# Altium PCB PIFWRobot.PcbDoc (part 2 of 2)
Units mil, origin at the board's own origin, x right, y up, seen from the top; angles counter-clockwise.
Board outline 3937.01 x 2755.91 mil, 2 copper layers (Top Layer, Bottom Layer); 153 components, 152 nets, 627 pads, 229 vias.
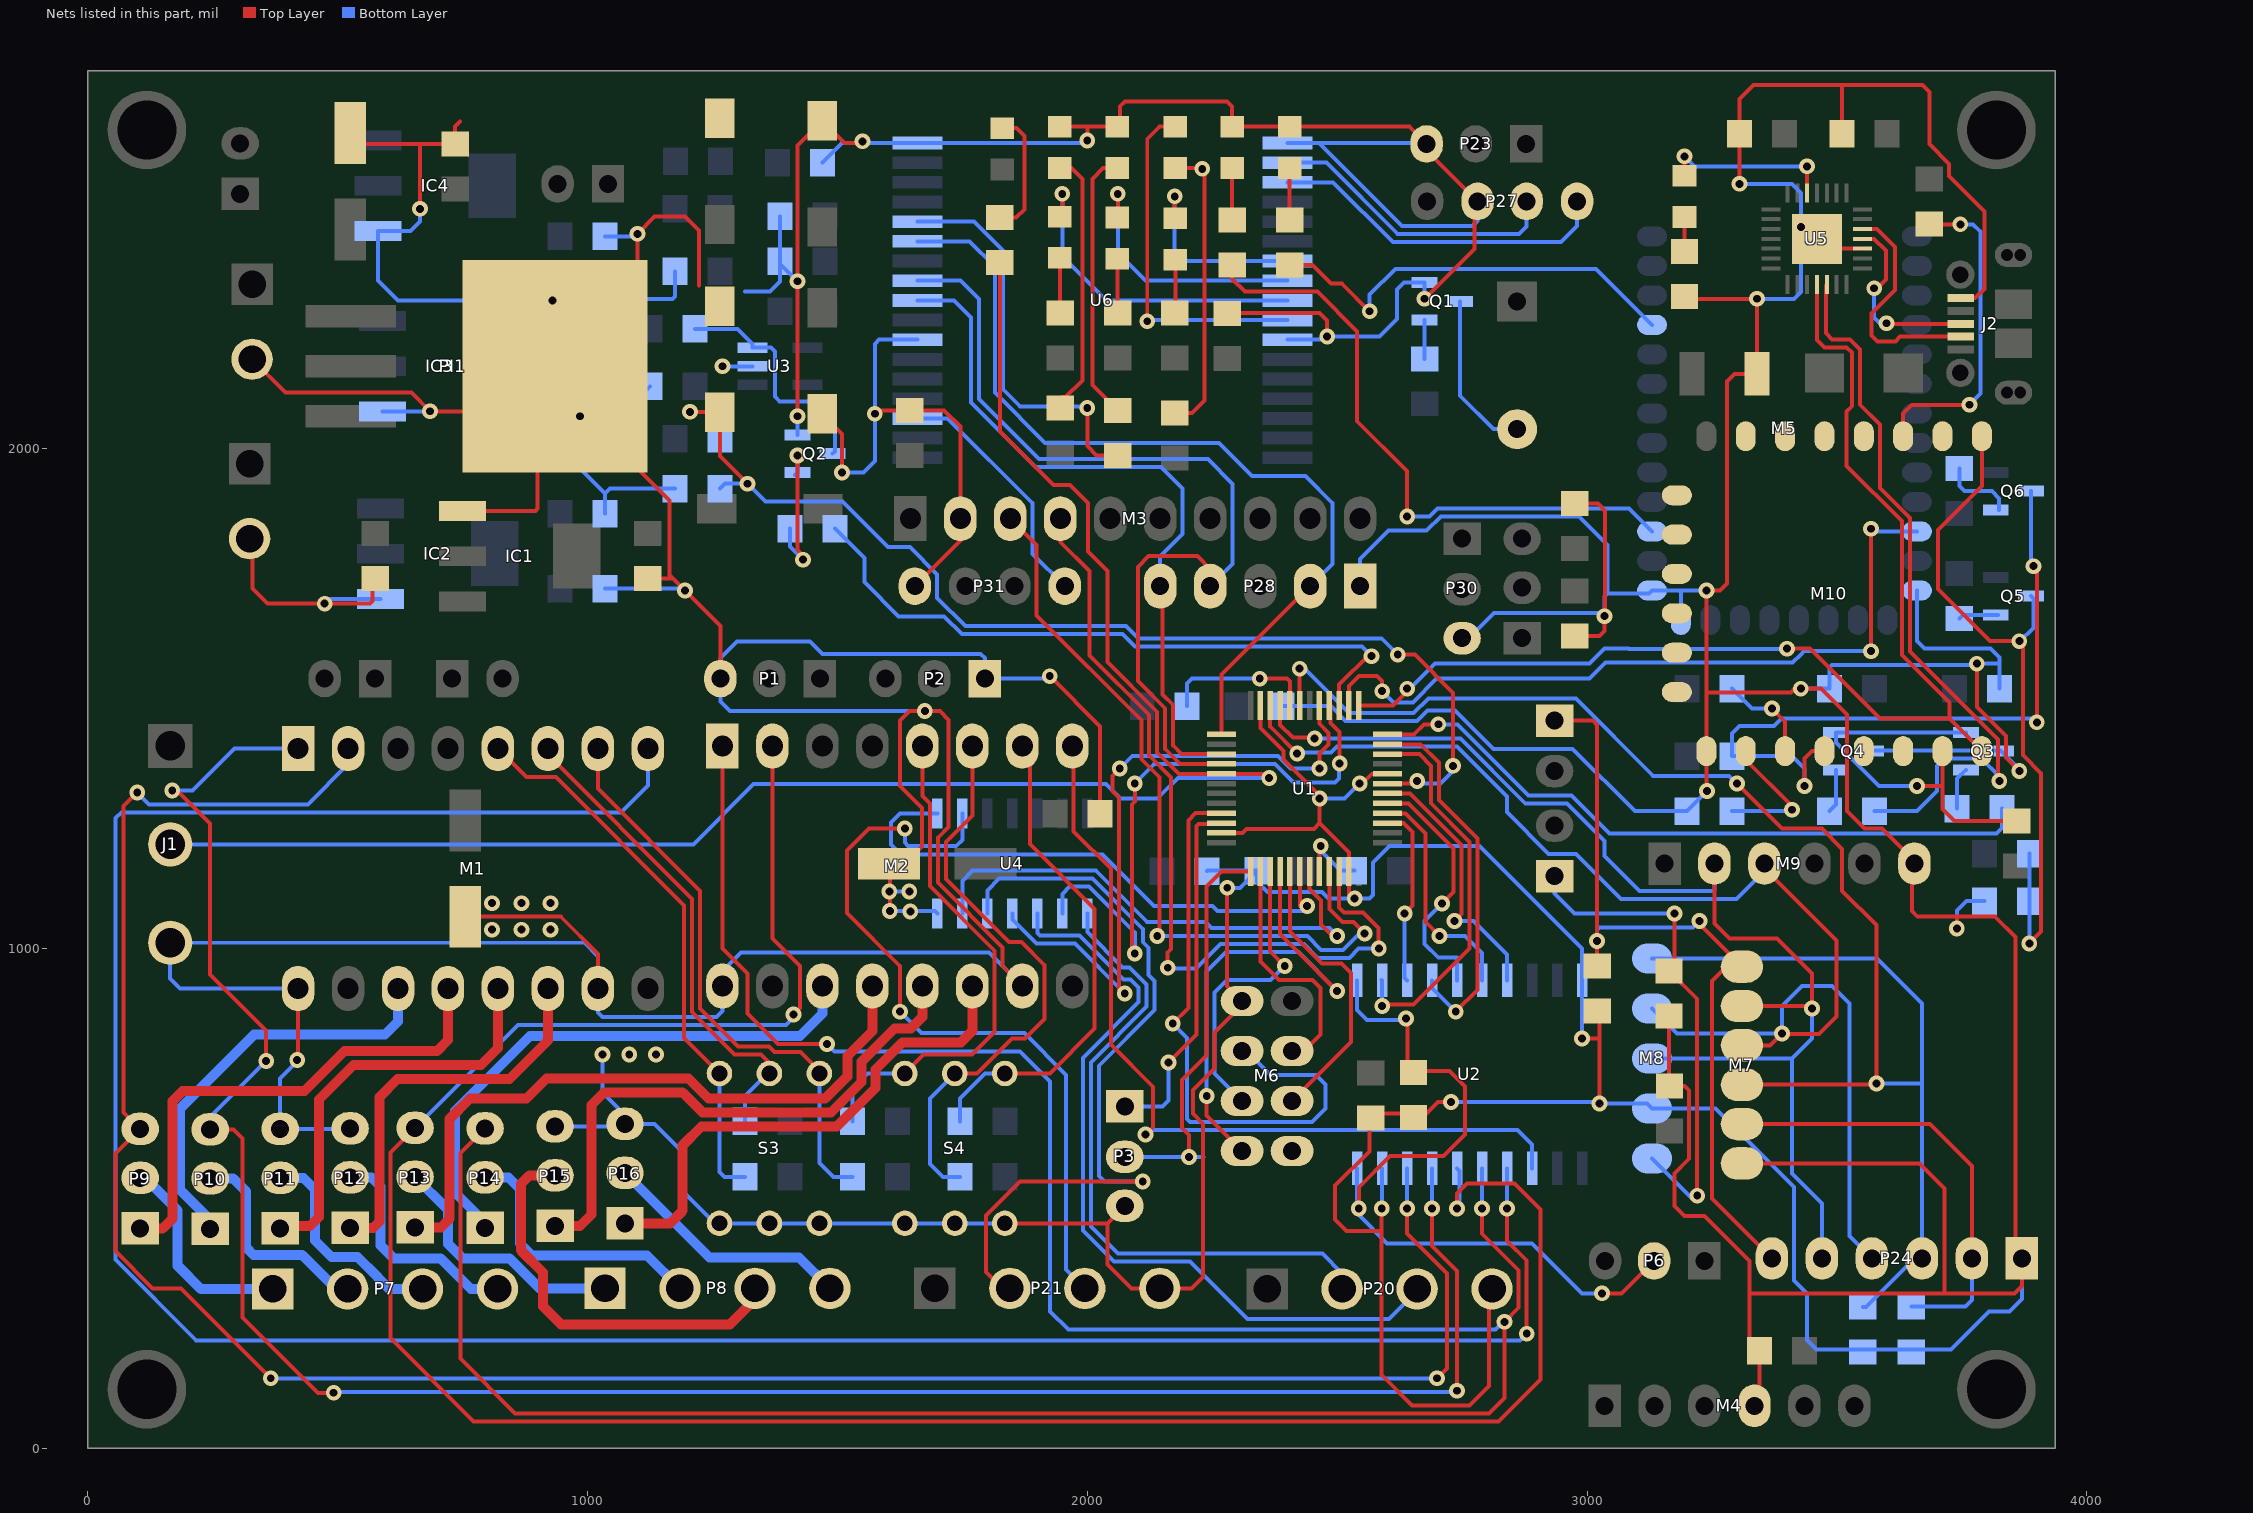
[diagram p2: the nets of this part, all layers, seen from the top]

## Via types
v1: diameter 31.5, hole 15.75, Top Layer to Bottom Layer, tented both sides, 228 vias
v2: diameter 31.5, hole 15.75, Top Layer to Bottom Layer, 1 vias

## Nets (pads, with @x,y where several pads share a name; then routed paths per layer and width w, separated by ;. In a path a pad name is that pad's centre, name@x,y a point inside that pad or via, vN(x,y) a via of type N, cw(c..) or ccw(c..) an arc to the next point about the centre after c; other vN are vias at no path point) (continued)
DWM_SPI_CSn: P28.2 U1.25 U6.29 | length 1749.7
  Top Layer w8: U1.25@2269,1428.27 2269,1548.06 P28.2@2445.94,1725
  Bottom Layer w8: U6.29@1660,2414.96 1764.66,2414.96 1815,2364.62 1815,2112.37 1915.76,2011.61 2263.39,2011.61 2330,1945 2436.38,1945 2490.44,1890.93 2490.44,1769.5 P28.2@2445.94,1725
DWM_SPI_MISO: P28.5 U1.27 U6.26 | length 1433.8
  Top Layer w8: P28.5@2145.94,1725 2150.63,1720.31 2150.63,1508.25 2172,1486.88 2172,1405.88 2188.98,1388.9 U1.27@2269,1388.9
  Bottom Layer w8: U6.26@1660,2296.85 1733.15,2296.85 1767,2263 1767,2092.49 1896.49,1963 2147.44,1963 2190.44,1920 2190.44,1829.07 2145.94,1784.57 P28.5@2145.94,1725
DWM_SPI_MOSI: P28.4 U1.28 U6.27 | length 1850.4
  Top Layer w8: P28.4@2245.94,1725 2245.94,1759.53 2220.47,1785 2122.89,1785 2101.44,1763.56 2101.44,1534.81 2156,1480.25 2156,1399.25 2186.04,1369.21 U1.28@2269,1369.21
  Bottom Layer w8: U6.27@1660,2336.22 1746.78,2336.22 1783,2300 1783,2099.12 1903.12,1979 2241.11,1979 2290.44,1929.67 2290.44,1769.5 P28.4@2245.94,1725
DWM_SWCLK: P27.2 U6.2 | length 594.2
  Bottom Layer w8: U6.2@2400.55,2572.44 2478.27,2572.44 2621.21,2429.5 2863.79,2429.5 2879,2444.71 P27.2@2879,2495
DWM_SWDIO: P27.1 U6.3 | length 691.9
  Bottom Layer w8: U6.3@2400.55,2533.07 2491.93,2533.07 2611.5,2413.5 2948.25,2413.5 2980,2445.25 P27.1@2980,2495
DWM_TX: P31.1 U6.20 | length 493.4
  Bottom Layer w8: U6.20@1660,2060.63 1720.75,2060.63 1890.44,1890.93 1890.44,1789.56 P31.1@1955,1725
DWM_TX_LED: R35.2 U6.30 | length 802.1
  Top Layer w8: v1(2000,2081.61) 2000,2005 2018.39,1986.61 R35.2@2061.07,1986.61
  Bottom Layer w8: U6.30@1660,2454.33 1772.94,2454.33 1831,2396.27 1831,2119 1865,2085 1996.61,2085 v1(2000,2081.61)
ENC_1A: P20.2 U4.1 | length 1302.9
  Bottom Layer w8: U4.1@2000,1070 2000,1032.63 2070.38,962.25 2084.62,962.25 2118.75,928.12 2118.75,883.75 2007,772 2007,444 2061.66,389.34 2470.66,389.34 2510,350 P20.2@2510,318.86
ENC_1B: P20.3 U4.3 | length 1588.3
  Bottom Layer w8: U4.3@1900,1070 1900,1031 1905,1026 1984,1026 2072.25,937.75 2086.49,937.75 2102.75,921.49 2102.75,892.75 1991,781 1991,436 2053.66,373.34 2205.87,373.34 2320.21,259 2604,259 2660,315 P20.3@2660,318.86
ENC_2A: P21.2 U4.5 | length 1567.4
  Top Layer w8: P21.2@1845,320 1830,320 1797.41,352.59 1797.41,465.57 1865.84,534 v1(2111,534)
  Bottom Layer w8: U4.5@1800,1070 1800,1116.16 1823.6,1139.76 2010.34,1139.76 2111,1039.1 2111,1013.24 2122.75,1001.49 2122.75,946.75 2134.75,934.75 2134.75,877.12 2023,765.37 2023,545 2034,534 v1(2111,534)
ENC_2B: P21.3 U4.9 | length 1531.9
  Top Layer w8: v1(1625.5,873.62) 1625.5,964.5 1519,1071 1519,1195.93 1563.07,1240 v1(1635,1240)
  Bottom Layer w8: v1(1625.5,873.62) 1668.52,830.61 1874.39,830.61 1957.66,747.34 1957.66,357.34 P21.3@1995,320 ; v1(1635,1240) 1635,1211.66 1641.66,1205 1737.81,1205 1750,1217.19 U4.9@1750,1270
ESP_ADC: M10.2
ESP_ENB: M10.3 R22.2 | length 650
  Top Layer w8: M10.3@3632.52,2025 3632.52,2070.52 3650,2088 v1(3765.26,2088) ; R22.2@3685,2450 3686,2449 v1(3747.02,2449)
  Bottom Layer w8: v1(3747.02,2449) 3772.71,2449 3787.52,2434.19 3787.52,2110.25 v1(3765.26,2088)
ESP_GPIO0: M10.18 Q6.3 R18.2 | length 1434.7
  Top Layer w8: v1(3435,1325) 3435,1380 3450,1395 M10.18@3475.04,1395 ; v1(3893.36,1765) 3900,1758.36 v1(3900,1452.5)
  Bottom Layer w8: v1(3435,1325) 3435,1360 3410,1385 R18.2@3290,1385 3290,1430 3305,1445 3374.24,1445 3389.56,1460.31 3900.31,1460.31 3900,1460 v1(3900,1452.5) ; Q6.3@3888.36,1915 3888.36,1770 v1(3893.36,1765)
ESP_GPIO2: M10.17 R20.2 | length 192.5
  Top Layer w8: v1(3370,1480) 3396.3,1453.7 M10.17@3396.3,1395
  Bottom Layer w8: R20.2@3290,1520 3330,1480 v1(3370,1480)
ESP_GPIO4: M10.19
ESP_GPIO5: M10.20
ESP_GPIO9: M10.11
ESP_GPIO10: M10.12
ESP_GPIO12: M10.6
ESP_GPIO13: M10.7
ESP_GPIO14: M10.5
ESP_GPIO15: M10.16 R25.2 | length 276.7
  Top Layer w8: M10.16@3317.56,1395 3317.56,1377.44 3410,1285 v1(3410,1277.75)
  Bottom Layer w8: R25.2@3290,1275 3407.25,1275 v1(3410,1277.75)
ESP_GPIO16: M10.4
ESP_nRST: C28.2 M10.1 Q5.3 R23.2 | length 1465.9
  Top Layer w8: M10.1@3790,2025 3790,1925 3702.25,1837.25 3702.25,1719.01 3806.26,1615 v1(3865,1615) 3872.25,1607.75 3872.25,1386.99 3908.75,1350.49 3908.75,1033.75 v1(3885,1010)
  Bottom Layer w8: v1(3865,1615) 3866.71,1615 3893.36,1641.64 3893.36,1700 Q5.3@3888.36,1705 ; v1(3885,1010) C28.2@3885,1095 R23.2@3885,1190
ESP_RX: M10.21 Q3.2 Q4.2 R21.1 | length 805.1
  Top Layer w8: v1(3660,1325) 3711.26,1325 ; M10.21@3711.26,1395 3711.26,1325 ; R21.1@3860,1255 3735,1255 3711.26,1278.74 3711.26,1325
  Bottom Layer w8: v1(3660,1325) 3584.39,1325 3530.36,1379.03 3530.36,1379.64 3497.79,1412.21 Q4.2@3497.79,1432.5 Q3.2@3757.79,1432.5
ESP_SPI_CLK: M10.14
ESP_SPI_INT: M10.13
ESP_SPI_MISO: M10.10
ESP_SPI_MOSI: M10.9
ESP_TX: M10.22 U1.13 U5.25 | length 2395.9
  Top Layer w8: U1.13@2543.27,1486 2611.72,1486 2640,1514.28 v1(2640,1520) ; v1(3400,1600) 3445.78,1600 3585.78,1460 3725,1460 ; U5.25@3460,2328.5 3460,2218 3475.08,2202.92 3519.36,2202.92 3530,2192.28 3530,2085.01 3519.36,2074.37 3519.36,1965.64 3630,1855 3630,1587.37 3725,1492.37 3725,1460 ; M10.22@3790,1395 3725,1460
  Bottom Layer w8: v1(2640,1520) 2645.72,1520 2695.72,1570 3005,1570 3035,1600 3082.72,1600 3083.51,1599.21 3399.21,1599.21 v1(3400,1600)
GND: C1.1 C2.1 C3.1 C4.1 C5.1 C6.1 C7.2 C8.2 C9.2 C10.1 C11.1 C12.1 C13.1 C14.1 C15.1 C16.1 C17.1 C18.1 C19.1 C20.1 C21.1 C22.1 C23.1 C24.1 C25.1 C26.1 C27.2 C28.1 C29.1 C30.1 C31.1 C32.1 C33.1 C34.1 C35.1 D2.1 D3.1 D10.1 D11.1 IC1.1 IC2.1 IC3.1 IC4.1 J1.3 J2.5 M1.10 M1.16 M2.10 M2.16 M3.2 M4.4 M5.13 M5.21 M5.22 M6.1 M7.6 M8.2 M9.6 M10.15 P1.3 P2.1 P3.3 P11.3 P12.3 P15.3 P16.3 P17.2 P18.2 P20.4 P21.4 P23.3 P24.1 P27.3 P28.1 P30.3 P31.4 PI1.4 Q1.2 Q2.2 Q3.3 Q4.3 R17.2 R25.1 R26.2 R37.2 R38.2 S1.1 S2.1 S3.1 S3.2 S3.3 S4.1 S4.2 S4.3 S6.1 S7.1 U1.8 U1.23 U1.35 U1.47 U2.10 U2.19 U3.2 U4.7 U5.3 U5.29 U6.1 U6.11 U6.24 U6.34 | length 35253.6
  Top Layer w8: P17.2@323.86,1820 330,1813.86 330,1720 360,1690 v1(474,1690) 565,1690 570,1695 570,1735 C11.1@575,1740 ; P18.2@328.86,2179.05 395.71,2112.2 647.8,2112.2 v1(685,2075) 845,2075 900,2130 900,1880 895.55,1875.55 IC1.1@750,1875.55 ; v1(419,777) 419.65,777 420.83,775.83 M1.16@420.83,920 ; C9.2@525,2631.46 546.46,2610 665,2610 ; v1(665,2480) 665,2610 ; 745,2655 735,2645 C10.1@735,2610 665,2610 ; C8.2@755,1063.54 946.46,1063.54 1020.83,989.17 M1.10@1020.83,920 M1.10@1030,910.83 ; v1@1030,786 v1(1030,788) v1@1030,793.69 ; C12.1@1120.83,1740 1171.34,1740 ; 1223.47,2326.88 1223.47,2436.53 1195.53,2464.47 1134.47,2464.47 v1(1100,2430) 1100,2330 PI1.4@935,2165 935,2125 1164,1896 1164,1747.34 1171.34,1740 ; P1.3@1266,1540 1266,1645.34 v1(1195,1716.34) 1171.34,1740 ; v1(1420,2065) v1(1420,2335) 1420,2606.3 S7.1@1470,2656.3 1514.49,2611.81 v1@1550,2611.81 ; S2.1@1470,2068.7 1509.37,2029.33 v1(1509.37,1952.5) ; v1(1575,2070) 1581.61,2076.61 C20.1@1645,2076.61 1713.39,2076.61 1745.94,2044.06 M3.2@1745.94,1860 1745.94,1815.94 P31.4@1655,1725 ; v1(1605,1075) 1605,1168.54 C7.2@1603.54,1170 1635,1170 1669,1204 1669,1281 1625,1325 1625,1456 1644,1475 v1(1675,1475) 1705,1475 1722.45,1457.55 1722.45,1243.06 1701,1221.61 1701,1131.63 1830.5,1002.13 1830.5,964.5 M2.10@1870,925 ; S4.3@1835,450 2040,450 ; v1(1925,1545) 2025.5,1444.5 C19.1@2025.5,1270 ; D11.1@1945,2644.29 2000,2644.29 ; v1(2000,2616.81) 2000,2644.29 ; P3.3@2075,485 2040,450 ; U1.35@2269,1231.42 2310.44,1231.42 2318.51,1239.48 2453.72,1239.48 2465,1250.76 ; v1(2280,1121.52) 2280,925 M6.1@2310,895 M6.1@2310,887 ; C33.1@2280,2270.42 2281,2271.42 2465,2271.42 2480,2256.42 v1(2480,2224.41) ; M6.1@2310,871 M6.1@2310,887 ; U1.23@2346.42,1486 2346.42,1440.96 2392.25,1395.12 2392.25,1378.51 2465,1305.76 v1(2465,1300) 2465,1250.76 ; v1(2535,1100) 2525.5,1100 2523.58,1101.92 U1.47@2523.58,1154 2523.58,1192.18 2465,1250.76 ; v1(2545,1330) 2549.69,1330 2569.21,1349.53 U1.8@2601,1349.53 ; v1(2589.21,480) 2589.21,435 ; v1(2675,2300) 2775,2400 2775,2489 P27.3@2781,2495 2679,2597 P23.3@2679,2610 2644.71,2644.29 D2.1@2405,2644.29 D3.1@2290,2644.29 2290,2684.5 2279.5,2695 2075.5,2695 2065,2684.5 2065,2649.29 D10.1@2060,2644.29 2000,2644.29 ; v1(2728,693) 2701.51,693 2673.51,665 2640.72,665 2635.72,670 2564.39,670 2564.39,594.12 2496,525.73 2496,458 2519,435 2589.21,435 ; P20.4@2810,318.86 2804,312.86 2804,125 2765,86 2650.21,86 2589.21,147 2589.21,435 ; R17.2@2965,1626.49 R17.2@2975,1626.49 ; R17.2@2975,1625 3025,1625 3035,1635 v1(3035,1665) 3036,1666 3036,1875.55 3021.55,1890 C22.1@2975,1890 ; v1(2990,820) 3025,820 ; C24.1@3020,875 3025,870 3025,820 ; v1(3025,690) 3025,820 ; C26.1@3164,865 3164,726 C25.1@3165,725 3195,725 3204.5,715.5 3204.5,579.5 3175,550 3175,485 3195,465 3235,465 3325.5,374.5 3325.5,310 ; R26.2@3195,2305 3200,2300 v1(3340,2300) C27.2@3340,2150 3295,2150 3280,2135 3280,1730 3266.18,1716.18 v1(3238.82,1716.18) 3238.82,1512.25 ; v1(3240,1315) 3240,1317.64 3238.82,1318.82 M10.15@3238.82,1395 3238.82,1512.25 ; v1(3305,2530) C30.1@3305,2630 3305,2700 3332.75,2727.75 3510,2727.75 ; M7.6@3310,570 3665,570 3715,520 3715,310 ; M4.4@3335,85 3345,95 C21.1@3345,195 3325.5,214.5 3325.5,310 ; v1(3428,2444) 3495,2444 3495,2400.32 U5.3@3551.5,2400.32 ; C29.1@3510,2630 3510,2727.75 ; v1(3740,1040) 3740,1063.54 ; J2.5@3748,2301.18 3776.18,2301.18 3795,2320 3795,2475 3724.5,2545.5 3724.5,2569.97 3685,2609.47 3685,2713.91 3671.16,2727.75 3510,2727.75 ; v1(3780,1570) 3780,1482.88 3838,1424.88 3838,1382 v1(3865,1355) ; 2040,450 2040,368.07 2088.07,320 P21.4@2145,320 2209,320 2231.5,342.5 2231.5,649.26 2211.25,669.51 2211.25,716.49 2255,760.24 2255,832 M6.1@2310,887 ; 3238.82,1512.25 3407.75,1512.25 3415.5,1520 v1(3427.75,1520) 3468.07,1520 3520,1468.07 3520,1275 3555,1240 3590,1240 3655,1175 M9.6@3655,1170 3650,1165 3650,1075 3661.46,1063.54 3740,1063.54 ; 3325.5,310 3715,310 ; 3715,310 3855,310 3870,325 P24.1@3870,380 3857.25,392.75 3857.25,1022.75 3816.46,1063.54 3740,1063.54
  Bottom Layer w8: v1(419,777) 419,774 385,740 P11.3@385,639 524,639 P12.3@525,640 ; M1.16@420.83,920 185,920 165,940 J1.3@165,1011.51 993.49,1011.51 1020.83,984.17 M1.10@1020.83,920 1020.83,872.17 1030,863 1258,863 1270,875 M2.16@1270,925 1270,955 1307,992 1803,992 M2.10@1870,925 M2.10@1865,925 ; v1(474,1690) 483.45,1699.45 IC2.1@585.83,1699.45 ; IC3.1@590,2074.45 684.45,2074.45 v1(685,2075) ; v1(665,2480) 665,2455 645.71,2435.71 IC4.1@580.83,2435.71 580.83,2336.65 620.63,2296.85 v1(930,2296.85) 933.15,2300 1170,2300 1175,2305 C34.1@1175,2355 ; P15.3@935,644 1070,644 P16.3@1075,649 ; v1@1030,786 1030,712 1075,667 P16.3@1075,649 ; C14.1@1035,1720 1191.34,1720 v1(1195,1716.34) ; C13.1@1035,1870 1035,1910 ; C15.1@1035,2165 1035,2130 1045,2120 ; C18.1@1035,2425 1095,2425 v1(1100,2430) ; C16.1@1125,2125 1120,2120 1045,2120 ; C1.1@1175,1920 1045,1920 1035,1910 ; v1(1270,2165) U3.2@1330.25,2165 ; 1315,2315 1365,2315 1385,2335 C2.1@1385,2370 ; C17.1@1385,2465 C2.1@1385,2375.59 C2.1@1385,2370 ; Q2.2@1420,2027.56 v1(1420,2065) ; v1(1420,2335) C2.1@1385,2370 ; C35.1@1470,2572.44 1509.37,2611.81 U6.34@1660,2611.81 1995,2611.81 v1(2000,2616.81) ; v1@1502.5,1952.5 v1(1509.37,1952.5) 1552.5,1952.5 1575,1975 v1(1575,2070) 1575,2210 1583.11,2218.11 U6.24@1660,2218.11 ; v1(1604,1114) v1(1644,1114) ; v1(1605,1075) 1695,1075 U4.7@1700,1070 ; v1(1675,1475) 1285,1475 1266,1494 P1.3@1266,1540 1266,1581 1299.24,1614.24 1445,1614.24 1469.74,1589.5 1786.5,1589.5 1795,1581 P2.1@1795,1540 1920,1540 v1(1925,1545) ; S4.3@1855,450 S4.3@1835,450 S4.2@1735,450 S4.1@1635,450 S3.3@1464,450 S3.2@1364,450 S3.1@1264,450 1255,450 1190,515 1190,593 1134,649 P16.3@1075,649 ; C5.1@2240,1155 2241,1156 C4.1@2340,1156 ; v1(2280,1121.52) 2305.52,1121.52 C4.1@2340,1156 ; C3.1@2390,1485 2487.37,1485 2517.12,1455.25 2659.75,1455.25 2680.93,1476.43 2735.69,1476.43 2812.62,1399.5 2971,1399.5 3095.5,1275 R25.1@3200,1275 v1(3240,1315) ; U6.11@2400.55,2218.11 2473.7,2218.11 v1(2480,2224.41) 2584.41,2224.41 2620,2260 2620,2318.79 2633.69,2332.48 Q1.2@2675,2332.48 v1(2675,2300) ; U6.1@2400.55,2611.81 2463.19,2611.81 ; v1(2465,1300) 2515,1300 v1(2545,1330) ; P28.1@2545.94,1725 2545.94,1778.94 2603,1836 2679.03,1836 2707.53,1864.5 2984,1864.5 3041.17,1807.33 3041.17,1711.17 ; v1(2589.21,480) 2590,480.79 U2.19@2590,560 ; P23.3@2679,2610 2677.19,2611.81 2463.19,2611.81 ; v1(2728,693) 3022,693 v1(3025,690) 3120,690 M8.2@3130,680 3257.37,680 3414.5,522.87 3414.5,335.5 3440,310 3440,217 3459,198 3728,198 3804,274 3845,274 3870,299 P24.1@3870,380 ; P30.3@2750,1621 2757,1614 2814,1671 3029,1671 v1(3035,1665) 3035,1704 3041.17,1710.17 3123.83,1710.17 M5.22@3130,1716.34 3183.19,1716.34 3183.35,1716.18 ; P27.3@2781,2495 2781,2456 2770.5,2445.5 2629.5,2445.5 2463.19,2611.81 ; v1(2990,820) U2.10@2990,936 2990,1000 2785,1205 2604.53,1205 2572,1172.47 2572,1107 2565,1100 v1(2535,1100) 2482.66,1100 2469.91,1112.75 2360.19,1112.75 2340,1132.94 C4.1@2340,1156 ; M5.21@3187.56,1657.28 3187.56,1711.97 3183.35,1716.18 ; v1(3238.82,1716.18) 3183.35,1716.18 ; v1(3305,2530) 3410,2530 3428,2512 v1(3428,2444) 3428,2313.59 3414.41,2300 v1(3340,2300) ; v1(3427.75,1520) C31.1@3485,1520 3485,1562.25 3490,1567.25 3777.25,1567.25 v1(3780,1570) 3825,1570 ; Q4.3@3568.36,1395 3569.86,1396.5 3826.86,1396.5 Q3.3@3828.36,1395 3865,1358.36 v1(3865,1355) ; M5.13@3660,1716.34 3660,1615 3675,1600 3807.31,1600 3825,1582.31 3825,1570 ; v1(3740,1040) 3740,1075.76 3759.24,1095 C28.1@3795,1095 ; C32.1@3825,1520 3825,1570 ; 1035,1910 985,1960 v1(985,2065) 990,2065 1045,2120
  other v1: 1083.5,788 1137,788 809,1037.75 868,1037.75 926,1037.75 1646,1074 809,1090.75 868,1090.75 926,1090.75 1550,2615
LED: J1.2 R6.1 U1.29 | length 3653.2
  Top Layer w8: R6.1@1825,2372.8 1825,2034.86 1932.11,1927.75 1965,1927.75 2001.44,1891.31 2001.44,1794.07 2040,1755.51 2040,1573.63 2140,1473.63 2140,1392.63 2183.1,1349.53 U1.29@2269,1349.53 2354.53,1349.53 2362.8,1341.25 v1(2363.94,1341.25)
  Bottom Layer w8: J1.2@165,1208.36 1211.61,1208.36 1332.25,1329 2037.07,1329 2066.07,1300 2140,1300 2181.25,1341.25 v1(2363.94,1341.25)
MTR1_A1: M1.13 P9.1 | length 1012.8
  Top Layer w20: P9.1@105,440 150,440 170,460 170,695 190,715 434,715 514,795 699.17,795 720.83,816.65 M1.13@720.83,920
MTR1_A2: M1.14 P10.1 | length 839.9
  Bottom Layer w20: P10.1@245,439 245,457 185,517 185,680 333,828 595,828 620.83,853.83 M1.14@620.83,920
MTR1_B1: M1.12 P11.1 | length 842.1
  Top Layer w20: P11.1@385,440 389.5,444.5 444.5,444.5 463,463 463,698 532,767 787,767 820.83,800.83 M1.12@820.83,920
MTR1_B2: M1.11 P12.1 | length 801.1
  Top Layer w20: P12.1@525,441 571,441 583.5,453.5 583.5,702.5 620,739 844,739 920.83,815.83 M1.11@920.83,920
MTR1_C1: P7.1 P9.2 | length 422
  Bottom Layer w20: P9.2@105,541 115,541 180,476 180,365 226.14,318.86 P7.1@370,318.86
MTR1_C2: P7.2 P10.2 | length 432.3
  Bottom Layer w20: P10.2@245,540 291,540 317,514 317,401.86 331.86,387 429,387 497.14,318.86 P7.2@520,318.86
MTR1_C3: P7.3 P11.2 | length 437.5
  Bottom Layer w20: P11.2@385,541 432,541 455,518 455,415.54 487.54,383 539.78,383 579.34,343.44 579.34,342.66 603.14,318.86 P7.3@670,318.86
MTR1_C4: P7.4 P12.2 | length 456.6
  Bottom Layer w20: P12.2@525,542 568,542 585.83,524.17 585.83,406.17 612,380 706,380 767.14,318.86 P7.4@820,318.86
MTR1_DIR: M1.1 P10.3 U2.17 | length 4487.1
  Top Layer w8: v1(169,1316) 179,1316 245,1250 245,948 357,836 v1(357,775) ; P10.3@245,638 292,638 310,620 310,262 461,111 v1(492,111) ; v1@2690,470 2690,405 2740,355 v1(2740,115)
  Bottom Layer w8: v1(169,1316) 210,1316 294,1400 M1.1@420.83,1400 ; P10.3@245,638 245,663 v1(357,775) ; v1(492,111) 491,111 492.25,112.25 2737.25,112.25 v1(2740,115) ; v1@2690,470 v1(2690,480) U2.17@2690,560
MTR1_ENB: M1.8 U2.14 | length 5292.7
  Top Layer w8: v1(2840,480) 2840,415 2879.34,375.66 v1(2879.34,229.34)
  Bottom Layer w8: M1.8@1120.83,1400 1120.83,1325.83 1067.25,1272.25 67.25,1272.25 56,1261 56,657.93 55.5,657.43 55.5,377.61 217.11,216 2866,216 v1(2879.34,229.34) ; v1(2840,480) U2.14@2840,560
MTR1_PWM: M1.2 P9.3 U2.18 | length 4670.4
  Top Layer w8: v1(99,1312) 72,1285 72,672 P9.3@105,639 55.5,589.5 55.5,394.5 130,320 186.27,320 v1(366.27,140) ; v1@2640,475 2640,430 2720,350 2720,160 v1(2700,140)
  Bottom Layer w8: v1(99,1312) 122.75,1288.25 440.25,1288.25 520.83,1368.83 M1.2@520.83,1400 ; v1(366.27,140) v1(2700,140) ; v1@2640,475 v1(2640,480) U2.18@2640,560
MTR2_A1: M2.13 P13.1 | length 1341.9
  Top Layer w20: P13.1@655,442 707,442 723.5,458.5 723.5,658.5 765,700 878,700 918,740 1202,740 1242,700 1475.65,700 1520,744.35 1520,785 1570,835 M2.13@1570,925
MTR2_A2: M2.14 P14.1 | length 1129.6
  Bottom Layer w20: P14.1@795,441 795,452 735,512 735,675 885,825 1425,825 1470,870 M2.14@1470,925
MTR2_B1: M2.12 P15.1 | length 1155.4
  Top Layer w20: P15.1@935,445 985,445 1008,468 1008,687 1033,712 1190.4,712 1230.4,672 1487.24,672 1548,732.76 1548,773.4 1614.47,839.87 1646.87,839.87 1670,863 M2.12@1670,925
MTR2_B2: M2.11 P16.1 | length 1042.8
  Top Layer w20: P16.1@1075,450 1165,450 1190.4,475.4 1190.4,606.4 1228,644 1498.84,644 1576,721.16 1576,758 1629.87,811.87 1746.87,811.87 1770,835 M2.11@1770,925
MTR2_C1: P8.1 P13.2 | length 512.2
  Bottom Layer w20: P13.2@655,543 720.83,477.17 720.83,409.17 750,380 844,380 904,320 P8.1@1035,320
MTR2_C2: P8.2 P14.2 | length 545.8
  Bottom Layer w20: P14.2@795,542 842,542 865,519 865,410 889,386 1119,386 P8.2@1185,320
MTR2_C3: P8.3 P15.2 | length 820.6
  Top Layer w20: P15.2@935,546 883.5,546 866.54,529.04 866.54,396.28 911,351.83 911,284 947,248 1285,248 1335,298 P8.3@1335,320
MTR2_C4: P8.4 P16.2 | length 505.7
  Bottom Layer w20: P16.2@1075,551 1244,382 1423,382 P8.4@1485,320
MTR2_DIR: M2.1 P14.3 U2.15 | length 5738.7
  Top Layer w8: P14.3@795,640 745.5,590.5 745.5,179.5 855,70 2804.24,70 2835,100.76 v1(2835,253) 2863.34,281.34 2863.34,355.9 2790,429.24 v1(2790,480) ; M2.1@1270,1405 1270,1000.43 1320,950.43 1320,870 1381,809 v1(1479,809)
  Bottom Layer w8: v1(1479,809) 1494,794 1865.34,794 1925.66,733.68 1925.66,273.71 1962.12,237.25 2817.25,237.25 2833,253 v1(2835,253) ; v1(2790,480) U2.15@2790,560
MTR2_ENB: M2.8 U2.13 | length 1687.9
  Top Layer w8: M2.8@1970,1405 1972.5,1402.5 1972.5,1234.3 2047,1159.8 2047,808 2132,723 2132,643.11 v1(2116.64,627.75)
  Bottom Layer w8: v1(2116.64,627.75) 2125.89,637 2861,637 2890,608 U2.13@2890,560
MTR2_PWM: M2.2 P13.3 U2.16 | length 4925.2
  Top Layer w8: P13.3@655,641 605.5,591.5 605.5,220.33 771.83,54 2823.24,54 2907.09,137.85 2907.09,477.91 2855,530 2760,530 2740,510 v1(2740,480) ; M2.2@1370,1405 1370,1020 1425,965 1425,881 v1(1412,868) ; v1@2745,475 v1@2745,480
  Bottom Layer w8: P13.3@655,641 861,847 1397,847 1412,862 v1(1412,868) ; U2.16@2740,560 2745,555 v1@2745,475
NetB1_2: B1.2 Q1.3 | length 331.1
  Bottom Layer w8: Q1.3@2745.57,2294.98 2745.57,2106.04 2812.51,2039.09 B1.2@2860,2039.09
NetC24_2: C24.2 M7.1 P24.6 P25.1 | length 1608.8
  Top Layer w8: P25.1@2935,1456 3011.54,1456 3020,1447.54 v1(3020,1015) C24.2@3020,965 ; v1(3225,1055) 3225,1048.7 M7.1@3310,963.7 3278.7,963.7 3250,935 3250,500 P24.6@3370,380
  Bottom Layer w8: v1(3020,1015) 3020,1037.25 3025,1042.25 3212.25,1042.25 v1(3225,1055)
NetC26_2: C26.2 M8.1 P26.1 | length 1015.6
  Top Layer w8: v1(3175,1070) 3175,970 3160,955 C26.2@3164,955 3220.5,898.5 v1(3220.5,505.5)
  Bottom Layer w8: P26.1@2935,1145 2935,1110 2975,1070 v1(3175,1070) ; M8.1@3130,580 3210,500 3215.5,505.5 v1(3220.5,505.5)
NetD1_1: D1.1 R6.2 | length 253.1
  Top Layer w8: R6.2@1825,2462.8 1857.8,2462.8 1874,2479 1874,2626 1858.66,2641.34 D1.1@1830,2641.34
NetD2_2: D2.2 R15.2 | length 103.6
  Top Layer w8: R15.2@2405,2458.03 D2.2@2405,2561.61
NetD3_2: D3.2 R16.2 | length 103.6
  Top Layer w8: R16.2@2290,2458.03 D3.2@2290,2561.61
NetD4_1: D4.1 R26.1 | length 68.7
  Top Layer w8: R26.1@3195,2395 D4.1@3195,2463.66
NetD4_2: D4.2 U5.12 | length 345.6
  Top Layer w8: D4.2@3195,2546.34 v1(3195,2585) ; v1(3440,2565) 3440.31,2564.68 U5.12@3440.31,2511.5
  Bottom Layer w8: v1(3195,2585) 3215,2565 v1(3440,2565)
NetD6_1: D6.1 U6.7 | length 385
  Top Layer w8: v1(2175,2505) 2175,2462.2 D6.1@2176.07,2461.14
  Bottom Layer w8: v1(2175,2505) 2175,2400 2199.41,2375.59 U6.7@2400.55,2375.59
NetD6_2: D6.2 R29.1 | length 107.5
  Top Layer w8: R29.1@2175,2271.42 2176.07,2272.49 D6.2@2176.07,2378.46
NetD7_1: D7.1 U6.8 | length 539.6
  Top Layer w8: v1(2061.07,2510) 2061.07,2463.87 D7.1@2060,2462.8 D7.1@2067.8,2455
  Bottom Layer w8: v1(2061.07,2510) 2061.07,2391.37 2116.22,2336.22 U6.8@2400.55,2336.22
NetD7_2: D7.2 R31.1 | length 109.1
  Top Layer w8: D7.2@2060,2380.13 2060,2272.49 R31.1@2061.07,2271.42
NetD8_1: D8.1 U6.9 | length 669.7
  Top Layer w8: D8.1@1945,2464.47 1950,2459.47 v1(1950,2510)
  Bottom Layer w8: v1(1950,2510) 1950,2385 2038.15,2296.85 U6.9@2400.55,2296.85
NetD8_2: D8.2 R30.1 | length 110.8
  Top Layer w8: D8.2@1945,2381.79 1945,2272.49 R30.1@1946.07,2271.42
NetD9_1: D9.1 U6.10 | length 712.7
  Top Layer w8: v1(2120,2255) 2120,2620 2144.29,2644.29 D9.1@2176.07,2644.29
  Bottom Layer w8: v1(2120,2255) 2122.48,2257.48 U6.10@2400.55,2257.48
NetD9_2: D9.2 R32.1 | length 590.3
  Top Layer w8: R32.1@2175,2071.61 2210,2071.61 2234.86,2096.47 2234.86,2555.14 v1(2230,2560) 2228.39,2561.61 D9.2@2176.07,2561.61
NetD10_2: D10.2 R35.1 | length 543.5
  Top Layer w8: D10.2@2060,2561.61 2031.61,2561.61 2010,2540 2010,2127.67 R35.1@2061.07,2076.61
NetD11_2: D11.2 R36.1 | length 535.4
  Top Layer w8: D11.2@1945,2561.61 1968.39,2561.61 1990,2540 1990,2136.76 1956.49,2103.25 1948.25,2103.25 1946.07,2101.07 R36.1@1946.07,2081.61
NetM1_5: M1.5 R7.1 S3.6 | length 1120.4
  Top Layer w8: M1.5@820.83,1400 877.83,1343 937,1343 1193.5,1086.5 1193.5,820.5 S3.6@1264,750
  Bottom Layer w8: S3.6@1264,750 1264,553 1274,543 R7.1@1315,543
NetM1_6: M1.6 R8.1 S3.5 | length 983
  Top Layer w8: M1.6@920.83,1400 920.83,1388.17 1209.5,1099.5 1209.5,872.87 1294.37,788 1347,788 1364,771 S3.5@1364,750
  Bottom Layer w8: R8.1@1315,654 1315,705 1360,750 S3.5@1364,750
NetM1_7: M1.7 R9.1 S3.4 | length 1156.9
  Top Layer w8: M1.7@1020.83,1400 1020.83,1320.17 1225.5,1115.5 1225.5,879.5 1301,804 1363.37,804 1374.37,793 1426,793 1464,755 S3.4@1464,750
  Bottom Layer w8: S3.4@1464,750 1464,571 1492,543 R9.1@1530,543
NetM2_5: M2.5 R10.1 S4.6 | length 1029.5
  Top Layer w8: S4.6@1635,750 1672.59,787.59 1769.59,787.59 1814.5,832.5 1814.5,995.5 1685,1125 1685,1290 1670,1305 M2.5@1670,1405
  Bottom Layer w8: R10.1@1530,654 1530,720 1560,750 S4.6@1635,750
NetM2_6: M2.6 R11.1 S4.5 | length 1161.5
  Top Layer w8: S4.5@1735,750 1779,750 1849,820 1875.5,820 1914.5,859 1914.5,966.5 1868,1013 1842.98,1013 1717,1138.98 1717,1213 1770,1266 M2.6@1770,1405
  Bottom Layer w8: S4.5@1735,750 1685,700 1685,569 1711,543 R11.1@1745,543
NetM2_7: M2.7 R12.1 S4.4 | length 998.6
  Top Layer w8: S4.4@1835,750 1925,750 2014.5,839.5 2014.5,1079.5 1885,1209 1885,1390 M2.7@1870,1405
  Bottom Layer w8: R12.1@1745,654 1745,700 1795,750 S4.4@1835,750
NetM3_3: M3.3 U1.45 | length 1566.8
  Top Layer w8: M3.3@1845.94,1860 1898.5,1807.44 1898.5,1666.5 2108,1457 2108,1379.37 2145,1342.37 2145,1041.43 2144.5,1040.93 2144.5,1029.5 v1(2140,1025) ; U1.45@2484.21,1154 2484.21,1079.42 2510.88,1052.75 2532.25,1052.75 v1(2555,1030)
  Bottom Layer w8: v1(2140,1025) 2140.25,1024.75 2440.25,1024.75 2467.75,997.25 2511.49,997.25 2544.24,1030 v1(2555,1030)
NetM3_4: M3.4 U1.46 | length 1664.7
  Top Layer w8: M3.4@1945.94,1860 1945.94,1813.46 2004.41,1755 2004.41,1586.59 2124,1467 2124,1386 2167.75,1342.25 2167.75,998.75 2161,992 v1(2161,961.6) ; U1.46@2503.9,1154 2503.9,1082.36 2514.01,1072.25 2551.99,1072.25 2582.75,1041.49 2582.75,1000.67 v1(2583.42,1000)
  Bottom Layer w8: v1(2161,961.6) 2162.6,960 2217.94,960 2266.69,1008.75 2433.62,1008.75 2461.12,981.25 2524.28,981.25 2543.03,1000 v1(2583.42,1000)
NetM5_11: M5.11 U1.14 | length 1507.1
  Top Layer w8: U1.14@2523.58,1486 2523.58,1524.92 2543.66,1545 2580,1545 2590,1535 v1(2590,1515) ; v1(3568.36,1595) v1(3568.36,1840)
  Bottom Layer w8: v1(2590,1515) 2612.75,1492.25 2651.49,1492.25 2699.24,1540 3005,1540 3037.25,1572.25 3411.49,1572.25 3427.75,1588.51 3434.24,1595 v1(3568.36,1595) ; v1(3568.36,1840) 3573.91,1834.45 M5.11@3660,1834.45
NetM5_24: M5.24 R16.1 | length 1249.1
  Top Layer w8: R16.1@2290,2368.03 2290,2340 2315.2,2314.8 2460.2,2314.8 2540,2235 2540,2055 2640,1955 v1(2640,1864.5)
  Bottom Layer w8: v1(2640,1864.5) 2684.9,1864.5 2700.9,1880.5 3083.95,1880.5 M5.24@3130,1834.45
NetM5_31: M5.31 R15.1 | length 864.8
  Top Layer w8: R15.1@2405,2368.03 2450.29,2368.03 2487.53,2330.8 2509.2,2330.8 v1(2565,2275)
  Bottom Layer w8: v1(2565,2275) 2565,2308.37 2616.63,2360 3017.83,2360 M5.31@3130,2247.83
NetM6_3: M6.3 U1.33 | length 1228.6
  Top Layer w8: v2(2171,850) 2202.27,881.27 2202.27,1256.57 2216.48,1270.79 U1.33@2269,1270.79
  Bottom Layer w8: v2(2171,850) 2200,821 2200,658.75 2205.75,653 2450,653 2477,680 2477,727.84 2457.5,747.34 2367,747.34 2319.34,795 M6.3@2310,795
NetM6_4: M6.4 U1.38 | length 486
  Top Layer w8: U1.38@2346.42,1154 2346.42,974.34 2383.76,937 2450.88,937 2467.11,920.77 2467.11,828.11 2434,795 M6.4@2410,795
NetM6_5: M6.5 U1.39 | length 602.9
  Top Layer w8: U1.39@2366.1,1154 2366.1,993.9 v1(2395,965)
  Bottom Layer w8: M6.5@2310,695 2255,750 2255,912.4 2279.6,937 2367,937 v1(2395,965)
NetM6_6: M6.6 U1.41 | length 581.5
  Top Layer w8: U1.41@2405.47,1154 2405.47,1033.77 2469.24,970 2508.58,970 2527.75,950.83 2527.75,812.75 M6.6@2410,695
NetM6_7: M6.7 U1.40 | length 984
  Top Layer w8: v1(2239,705) 2239,666 M6.7@2310,595 ; U1.40@2385.79,1154 2385.79,1029.21 v1(2500,915)
  Bottom Layer w8: v1(2239,705) 2239,954 2277.75,992.75 2422.25,992.75 v1(2500,915)
NetM6_8: M6.8
NetQ1_1: Q1.1 R3.2 | length 77.5
  Bottom Layer w8: R3.2@2675,2180 Q1.1@2675,2257.48
NetQ2_1: Q2.1 R14.2 | length 327.1
  Top Layer w8: v1(1420,1986.61) 1419.93,1986.54 1419.93,1797.82 1431,1786.75 v1(1431,1778)
  Bottom Layer w8: R14.2@1405,1840 1405,1804 v1(1431,1778) ; Q2.1@1415,1947.56 Q2.1@1420,1952.56 v1(1420,1986.61)
NetQ2_3: Q2.3 R13.1 U3.3 | length 493.4
  Bottom Layer w8: R13.1@1215,2240 1300,2240 1330.25,2209.75 U3.3@1330.25,2202.4 1367.35,2202.4 1374.76,2195 1374.76,2104.69 1384.45,2095 1476.78,2095 1495,2076.78 1495,1994.49 Q2.3@1490.57,1990.06
NetQ3_1: Q3.1 R19.2 | length 84.9
  Bottom Layer w8: R19.2@3740,1280 3740,1339.71 Q3.1@3757.79,1357.5
NetQ4_1: Q4.1 R24.2 | length 87.8
  Bottom Layer w8: R24.2@3485,1275 3497.79,1287.79 Q4.1@3497.79,1357.5
NetQ5_1: Q5.1 R27.2 | length 80.9
  Bottom Layer w8: R27.2@3745,1660 3752.5,1667.5 Q5.1@3822.79,1667.5
NetQ6_1: Q6.1 R28.1 | length 147.6
  Bottom Layer w8: R28.1@3745,1960 3745,1925 3755,1915 3810,1915 3824.43,1900.57 Q6.1@3824.43,1877.5
NetR4_1: R4.1 U1.44 | length 169
  Top Layer w8: U1.44@2464.53,1154 2464.53,1204.98 v1(2467.11,1204.98) 2470.19,1204.98 v1@2475.21,1210
  Bottom Layer w8: v1(2467.11,1204.98) 2474.98,1204.98 2466.46,1196.46 2506.92,1156 R4.1@2535,1156
NetR5_2: R5.2 U1.20 | length 305.4
  Top Layer w8: v1(2345,1540) 2400,1540 2405.47,1534.53 U1.20@2405.47,1486
  Bottom Layer w8: R5.2@2200,1485 2200,1530 2210,1540 v1(2345,1540)
NetR14_1: R14.1 U1.15 | length 1340
  Top Layer w8: U1.15@2503.9,1486 2503.9,1527.86 2564.39,1588.36 2567.75,1585 v1(2568.54,1585)
  Bottom Layer w8: R14.1@1495,1840 1554,1781 1554,1733.37 1622.62,1664.75 1713.69,1664.75 1749.44,1629 2070.49,1629 2095.49,1604 2549.54,1604 v1(2568.54,1585)
NetR19_1: R19.1 U1.12 | length 1371.5
  Top Layer w8: U1.12@2601,1428.27 2653.27,1428.27 2673.68,1448.68 v1(2702.5,1448.68)
  Bottom Layer w8: v1(2702.5,1448.68) 2740.81,1448.68 2883,1306.5 2968.5,1306.5 3045,1230 3818.9,1230 3830,1241.1 R19.1@3830,1280
NetR24_1: R24.1 U5.26 | length 1505.9
  Top Layer w8: U5.26@3479.69,2328.5 3478.25,2327.07 3478.25,2231.16 3490.48,2218.92 3525.99,2218.92 3546,2198.91 3546,2088.03 3585.78,2048.25 3585.78,1921.85 3646,1861.63 3646,1594 3803,1437 3803.25,1437 3822,1418.25 3822,1338 v1(3825,1335)
  Bottom Layer w8: R24.1@3575,1275 3660,1275 3700,1315 3700,1365 3715.5,1380.5 3788.76,1380.5 3825,1344.26 v1(3825,1335)
NetU1_3: U1.3 U2.3 | length 363.2
  Top Layer w8: U1.3@2601,1251.1 2632.79,1251.1 2651.1,1232.79 2651.1,1086.1 v1(2635,1070)
  Bottom Layer w8: v1(2635,1070) 2635,941 U2.3@2640,936
NetU1_4: U1.4 U2.6 | length 463.3
  Top Layer w8: U1.4@2601,1270.79 2601.69,1270.09 2636.42,1270.09 2676.49,1230.02 2676.49,1053.51 v1(2705,1025)
  Bottom Layer w8: v1(2705,1025) 2756,1025 2765.12,1015.88 2790,991 U2.6@2790,936
NetU1_5: U1.5 U2.5 | length 506.5
  Top Layer w8: U1.5@2601,1290.47 2642.66,1290.47 2733,1200.13 2733,1113 v1(2710,1090)
  Bottom Layer w8: v1(2710,1090) 2675,1055 2675,1009 2702.5,981.5 2740,981.5 U2.5@2740,936
NetU1_6: U1.6 U2.7 | length 544.2
  Top Layer w8: U1.6@2601,1310.16 2645.6,1310.16 2749,1206.76 2749,1069 v1(2735,1055) 2730.98,1055 v1@2725.98,1060
  Bottom Layer w8: v1(2735,1055) 2773,1055 2840,988 U2.7@2840,936
NetU1_10: U1.10 U2.2 | length 768.7
  Top Layer w8: v1(2590,885) 2592.75,887.75 2652.75,887.75 2765,1000 2765,1213.39 2687.75,1290.64 2687.75,1365.46 2664.32,1388.9 U1.10@2601,1388.9
  Bottom Layer w8: U2.2@2589.21,936.79 U2.2@2590,936 v1(2590,885)
NetU1_11: U1.11 U2.4 | length 748.4
  Top Layer w8: U1.11@2601,1408.58 2667.26,1408.58 2703.75,1372.09 2703.75,1297.27 2781,1220.01 2781,917.37 v1(2737.25,873.62)
  Bottom Layer w8: U2.4@2690,936 2690,920.87 v1(2737.25,873.62)
NetU1_16: U1.16 U4.2 | length 1234.5
  Top Layer w8: v1(2095,990) 2095,996.36 2089.5,1001.85 2089.5,1288.2 2095,1293.7 v1(2095,1330) ; U1.16@2484.21,1486 2486.4,1483.82 2486.4,1451.35 2505,1432.75 v1(2505,1370)
  Bottom Layer w8: U4.2@1950,1070 1950,1109 1964.76,1123.76 2003.71,1123.76 2095,1032.47 v1(2095,990) ; v1(2095,1330) 2134,1369 2375.43,1369 2412.18,1332.25 2495.92,1332.25 2503.77,1340.11 v1@2503.77,1360 ; v1(2505,1370) 2505,1365.19 2510.19,1360 2515,1364.81 v1@2506.04,1373.77
NetU1_17: U1.17 U4.4 | length 1329.1
  Top Layer w8: v1(2065,1360) 2050,1345 2050,1314.97 2063,1301.97 2063,917 2070,910 v1(2075,910) ; v1(2464.53,1360) 2464.53,1390.29 2482.75,1408.51 2482.75,1431.49 2464.53,1449.71 U1.17@2464.53,1486
  Bottom Layer w8: U4.4@1850,1070 1850,1058 1898,1010 1975,1010 v1(2075,910) ; v1(2065,1360) 2090,1385 2382.06,1385 2407.06,1360 v1(2464.53,1360)
NetU1_42: U1.42 U4.8 | length 1123.8
  Top Layer w8: U1.42@2425.16,1154 2425.16,1084.84 2439.84,1084.84 v1(2440,1085)
  Bottom Layer w8: U4.8@1700,1270 1625,1270 1607.25,1252.25 1607.25,1208 1627.49,1187.76 2030.22,1187.76 2133.23,1084.75 2250.19,1084.75 2260.19,1074.75 2435.25,1074.75 2440,1079.5 v1(2440,1085)
NetU1_43: U1.43 U4.6 | length 1041.9
  Top Layer w8: U1.43@2444.84,1154 2444.84,1119.4 2467.75,1096.49 2467.75,1047.64 2490.39,1025 v1(2500,1025)
  Bottom Layer w8: U4.6@1750,1070 1750,1135 1770.76,1155.76 2016.96,1155.76 2119.98,1052.75 2236.94,1052.75 2248.94,1040.75 2484.76,1040.75 v1@2500.5,1025 ; v1(2500,1025) v1@2500.5,1025 ; v1@2504.5,1028.99 v1@2500.5,1025
NRST: C1.2 R1.1 S1.2 U1.7 | length 2310.8
  Top Layer w8: v1(1205,2073.75) 1264,2073.75 S1.2@1265,2072.75 1265,1985 v1(1320,1930) ; U1.7@2601,1329.84 2654.84,1329.84 v1(2660,1335) ; v1(2621.21,1588) 2655.49,1588 2731.99,1511.5 v1(2731.99,1365.46)
  Bottom Layer w8: v1(1205,2073.75) 1260.25,2073.75 1265,2069 R1.1@1265,2020 ; C1.2@1265,1920 1275,1930 v1(1320,1930) 1356,1894 1510.47,1894 1601.47,1803 1644.93,1803 1699.5,1748.43 1699.5,1701.57 1756.07,1645 2077.12,1645 2102.12,1620 2589.21,1620 v1(2621.21,1588) ; v1(2660,1335) 2660,1334.68 2664.68,1330 2706.5,1330 2731.99,1355.49 v1(2731.99,1365.46)
RF_CS: M7.5 P24.2 R37.1 | length 889.1
  Top Layer w8: M7.5@3310,648.74 3686.26,648.74 3770,565 P24.2@3770,380
  Bottom Layer w8: R37.1@3649,284 3757,284 3770,297 P24.2@3770,380
RF_RXD: M7.2 M8.3 M9.2 P24.5 U1.21 | length 2499.3
  Top Layer w8: U1.21@2385.79,1486 2385.79,1447.54 2411.21,1422.12 2452.88,1422.12 v1(2455,1420) ; M9.2@3255,1170 3255,1050 3285,1020 3380,1020 3450,950 v1(3450,880) ; M7.2@3310,884.96 v1@3445.04,884.96
  Bottom Layer w8: v1(2455,1420) 2746.87,1420 2876.37,1290.5 2958.43,1290.5 2958.93,1290 2960,1290 3035,1215 3035,1185 3104.5,1115.5 3253.5,1115.5 3255,1117 M9.2@3255,1170 ; M8.3@3130,780 3410,780 ; v1(3450,880) 3450,820 3410,780 ; P24.5@3470,380 3470,490 3410,550 3410,780
RF_SET: M7.4 M8.5 P24.3 R38.1 U1.19 | length 3446.5
  Top Layer w8: v1(2425,1560) 2425,1486.16 U1.19@2425.16,1486 ; v1(3300,1330) 3390,1240 3470,1240 3510.5,1199.5 3510.5,1115.5 3579,1047 v1(3579,730) 3576.48,727.48 M7.4@3310,727.48
  Bottom Layer w8: v1@2417.25,1567.75 v1(2425,1560) 2435,1560 2523.75,1471.25 2653.12,1471.25 2682.37,1500.5 2977.47,1500.5 3132.47,1345.5 3284.5,1345.5 v1(3300,1330) ; M8.5@3130,980 3580,980 3670,890 P24.3@3670,380 3655,380 3558,283 R38.1@3552,283 ; v1(3579,730) 3668,730
RF_TXD: M7.3 M8.4 M9.3 P24.4 U1.22 | length 2851.5
  Top Layer w8: U1.22@2366.1,1486 2366.1,1443.9 v1(2420,1390) ; M7.3@3310,806.22 3366.22,806.22 v1(3390,830) 3390.63,829.37 3464.37,829.37 3499.37,864.37 3499.37,1015.63 3355,1160 M9.3@3355,1170
  Bottom Layer w8: v1(2420,1390) 2422.25,1392.25 2488.01,1392.25 2499.76,1404 2740.24,1404 2840,1304.24 2840,1272.79 2923.29,1189.5 2977.47,1189.5 3067.47,1099.5 3299.5,1099.5 3355,1155 M9.3@3355,1170 ; M8.4@3130,880 3180,830 v1(3390,830) 3390,885 3430,925 3490,925 3525,890 3525,425 P24.4@3570,380
SWCLK: P3.2 U1.37 | length 830.8
  Top Layer w8: v1(2203.75,583) 2203.75,627.25 2190,641 2190,737 2239,786 2239,1124 2269,1154 U1.37@2326.73,1154
  Bottom Layer w8: P3.2@2075,583 v1(2203.75,583) 2229,583 ; 2229,583 2233,583 2231,585 2229,583
SWDIO: P3.1 U1.34 | length 717.9
  Top Layer w8: v1(2162.6,772) 2218.27,827.67 2218.27,1244.89 2222.95,1249.58 2267.47,1249.58 U1.34@2269,1251.1
  Bottom Layer w8: P3.1@2075,684 2150.66,684 2162.6,695.94 v1(2162.6,772)
USB_D_N: J2.2 U5.5 | length 463.6
  Top Layer w8: U5.5@3551.5,2439.68 3580.27,2439.68 3616,2403.96 3616,2318 3569,2271 3569,2227 3581,2215 3617,2215 3626.41,2224.41 J2.2@3748,2224.41
USB_D_P: J2.3 U5.4 | length 384.4
  Top Layer w8: U5.4@3551.5,2420 3574.5,2420 3598,2396.5 3598,2339 3580,2321 v1(3574.5,2321) ; v1(3599,2251) 3600,2250 J2.3@3748,2250
  Bottom Layer w8: v1(3574.5,2321) 3574.5,2262.5 3589,2248 3592,2251 v1(3599,2251)
VCC_245: C6.2 P6.2 U2.1 U2.20 | length 1572.5
  Top Layer w8: v1(2543.27,480) 2543.27,522.27 2606,585 2713,585 2755.75,627.75 2755.75,724.25 2725,755 2640.72,755 2640.72,857.1 v1(2637.81,860) ; v1(3030,310) 3069,310 P6.2@3134,375
  Bottom Layer w8: U2.20@2540,560 2540,483.27 v1(2543.27,480) 2543.27,466.73 2600,410 2890,410 2990,310 v1(3030,310) ; U2.1@2540,936 2540,876.5 2559.25,857.25 2635.07,857.25 v1(2637.81,860)
pads on no net: J2.4 J2.6 J2.7 J2.10 J2.11 J2.S_1 J2.S_1_H1 J2.S_1_H2 J2.S_2 J2.S_2_H1 J2.S_2_H2 M1.15 M2.15 M3.5 M3.6 M3.7 M3.8 M3.9 M3.10 M4.1 M4.6 M5.3 M5.4 M5.5 M5.6 M5.7 M5.8 M5.10 M5.14 M5.15 M5.16 M5.17 M5.18 M5.19 M5.20 M5.23 M5.25 M5.27 M5.28 M5.29 M5.30 M5.32 M5.33 M9.4 M9.5 PI1.2 U1.1 U2.8 U2.9 U2.11 U2.12 U3.4 U4.10 U4.11 U4.12 U4.13 U5.1 U5.2 U5.9 U5.10 U5.11 U5.13 U5.14 U5.15 U5.16 U5.17 U5.18 U5.19 U5.20 U5.21 U5.22 U5.23 U5.27 U6.4 U6.5 U6.6 U6.13 U6.14 U6.15 U6.16 U6.17 U6.21 U6.22

## Polygon pours and split planes (outlines as drawn)
GND on Bottom Layer "Bottom Layer-No Net" (solid, pour order 2): 0,2758 -1,2757 -1,0 3937,0 3937.01,2488 3113,2488 3113,2758
GND on Top Layer "Top Layer-No Net" (solid, pour order 0): 0,2758 -1,2757 -1,0 3937,0 3937.01,2488 3113,2488 3113,2758

## Keep-outs
Keep-Out Layer:
  the board outline again, w20

## Other copper
Top Layer:
  region net 12V_STEP: 1734,1205 1734,1140 1842,1032 1869,1032 1927,974 1927,852 1906,831 1906,809 1919,796 1953,796 2001,844 2001,1071 1867,1205
  region net 12V_STEP: 824,1187 915,1187 1086,1016 1086,872 1098,860 1161.37,860 1174,872.63 1174,1073 928,1319 810,1319
  region net GND: 378,1871 392,1857 392,1630 368,1606 343.86,1606 317,1579.14 317,1200 364,1153 749,1153 773,1129 773,1043 731,1001 347,1001 268,1080 268,1851.5 287.5,1871
  region net 12V_STEP: 347,1595 500,1595 517,1578 517,1474 510,1467 388,1467 375,1454 375,1345 401,1319 810,1319 837,1292 837,1200 824,1187 369,1187 326,1230 326,1574
  region net GND: 696,1138 696,1012 707.57,1000.43 945.74,1000.43 974,972.17 974,788 992,770 1167,770 1181,784 1181,820 1163,838 1088,838 1072,854 1072,1005 924,1153 710,1153 695,1138
  region net 12V: 127,2337 127,1544 151,1520 214,1520 235,1541 235,2220 255,2240 642.8,2240 655,2252.2 655,2445 588.5,2511.5 421.5,2511.5 380,2470 380,2444 361,2425 215,2425
Bottom Layer:
  region net GND: 1223,986 1223,891 1243,871 1298,871 1316,889 1316,961 1334,979 1793,979 1825,947 1825,888 1844,869 1896,869 1907,880 1907,953.49 1891.49,969 1858,969 1830,997 1234,997
  region net GND: 915,806 883,774 883,630 906,607 1117,607 1158,566 1158,501 1241,418 1857,418 1870,431 1870,470 1858.83,481.17 1293.83,481.17 1245,530 1245,692 1195,742 1195,774 1163,806
  region net GND: 284,2241 364,2241 399,2206 399,2119 364,2084 272,2084 259,2071 259,1905 285,1879 384,1879 403,1860 403,1790 382,1769 228,1769 227,1768 181,1814 181,2192 230,2241
  region net GND: 102,1094 102,908 138,872 437,872 458,893 458,984 477,1003 963,1003 978,988 978,875 994,859 1049,859 1066.76,876.76 1066.76,1073.24 1014,1126 127,1126
  region net 12V: 144,1658 135,1649 135,1525 150,1510 233,1510 309,1586 513,1586 528,1571 528,1501 550,1479 766,1479 785,1498 785,1586 766,1605 656,1605 624,1637 309,1637 288,1658

## Silkscreen, mask and mechanical layers (free items; w line width, h text height)
Top Overlay:
  text "G" at 2662,2700 h40
  text "RX" at 2753.5,2700 h40
  text "TX" at 2845,2700 h40
  text "5V_WIFI" at 202,2685 h40
  text "3V3_DWM" at 875,2622 h40
  text "BLUE" at 2466,2589 h40
  text "12V" at 147,2510 h40
  text "DWM" at 3045,2451 h40
  text "GND" at 145,2445 h40
  text "3V3" at 2633,2383 h40
  text "G" at 2773,2383 h40
  text "CLK" at 2829,2383 h40
  text "DIO" at 2956,2383 h40
  text "DRST" at 1148,2343 h40
  text "DBL" at 1409,2343 h40
  text "SRST" at 1150,1969 h40
  text "BTN" at 1394,1969 h40
  text "5V" at 412,1951 h40
  text "DWM" at 2697,1877 h40
  text "KEY" at 2825,1873 h40
  text "GND" at 412,1796 h40
  text "CL" at 2617,1794 h40
  text "BLU_KEY" at 1233,1757 h40
  text "DA" at 2621,1702 h40
  text "DWM" at 1473,1694 h40
  text "12V_STEP" at 371.1,1659 h40
  text "5V" at 150,1655 h40
  text "G" at 1645,1624 h40
  text "RX" at 1717,1624 h40
  text "RDY" at 1805,1624 h40
  text "TX" at 1930,1624 h40
  text "CLK" at 2308,1604 h40
  text "G" at 2641,1598 h40
  text "LED" at 134,1590 h40
  text "G" at 939,1550 h40
  text "B0" at 999,1549 h40
  text "3V3" at 1090,1549 h40
  text "3V3" at 1855.51,1549 h40
  text "B1" at 1994,1549 h40
  text "G" at 2069,1549 h40
  text "DWM" at 2312,1549 h40
  text "MI / SO" at 2113,1547 h40
  text "MO / SI" at 2215,1545 h40
  text "GND" at 133,1527 h40
  text "LC12S" at 2664,1438 h40
  text "3V3_RF" at 2650,1331 h40
  text "3V3_RF" at 2650,1227 h40
  text "HC12" at 2724,1121 h40
  text "RX" at 3222.5,1071.76 h40
  text "TX" at 3326,1071.76 h40
  text "G" at 3641,1071.76 h40
  text "5V" at 3123,1071 h40
  text "DC" at 146,851 h40
  text "STEP" at 138,789 h40
  text "STM32" at 2038,754 h40
  text "DIO" at 2142,667 h40
  text "CLK" at 2142,566 h40
  text "GND" at 2142,465 h40
  text "3V3" at 2696,387 h40
  text "A" at 2821,387 h40
  text "B" at 2868,387 h40
  text "G" at 2910,387 h40
  text "3V3" at 2265,386 h40
  text "A" at 2392,386 h40
  text "B" at 2444,386 h40
  text "G" at 2495,386 h40
  text "5V" at 2987,255 h40
  text "245" at 3075,255 h40
  text "3V3" at 3204,255 h40
  text "RF" at 3326,254 h40
  text "V" at 3400,254 h40
  text "ST" at 3641,254 h40
  text "RX" at 3443,253 h40
  text "TX" at 3534,253 h40
  text "CS" at 3742,253 h40
  text "G" at 3859,252 h40

## Text inside footprints (layer, text, board x,y; h text height)
B1: Top Overlay "+" at 2760,2595 h40 r270
D1: Top Overlay "+" at 1818.19,2499.61 h40
D2: Top Overlay "+" at 2393.19,2502.55 h40
D3: Top Overlay "+" at 2275,2493.8 h40
D4: Top Overlay "+" at 3206.81,2605.39 h40 r180
D6: Top Overlay "+" at 2164,2312 h40
D7: Top Overlay "+" at 2049,2315 h40
D8: Top Overlay "+" at 1933,2316 h40
D9: Top Overlay "+" at 2162,2492 h40
D10: Top Overlay "+" at 2046,2496 h40
D11: Top Overlay "+" at 1932,2492 h40
L1: Bottom Overlay "payitforward" at 610,987 h70 r270
S3: Top Overlay "2" at 1349.43,489.76 h40; Top Overlay "1" at 1254.94,489.76 h40; Top Overlay "ON" at 1232.5,670.87 h40; Top Overlay "3" at 1449.43,489.76 h40; Mechanical 13 "2" at 1349.43,489.76 h40; Mechanical 13 "ON" at 1232.5,670.87 h40; Mechanical 13 "1" at 1254.94,489.76 h40; Mechanical 13 "3" at 1449.43,489.76 h40
S4: Top Overlay "2" at 1720.43,489.76 h40; Top Overlay "1" at 1625.94,489.76 h40; Top Overlay "ON" at 1603.5,670.87 h40; Top Overlay "3" at 1820.43,489.76 h40; Mechanical 13 "2" at 1720.43,489.76 h40; Mechanical 13 "ON" at 1603.5,670.87 h40; Mechanical 13 "1" at 1625.94,489.76 h40; Mechanical 13 "3" at 1820.43,489.76 h40
U1: Top Overlay "*" at 2635,1165 h40 r180
U2: Bottom Overlay "*" at 2524,958.5 h40 r90
U3: Bottom Overlay "*" at 1307.75,2115.6 h40 r180
U4: Bottom Overlay "*" at 2075,1040 h40 r90
U5: Top Overlay "*" at 3608,2376.1 h40 r180